# Altium PCB LimeSDR_Mini_1v1_Rounded.PcbDoc (part 2 of 5)
Units mm, origin at the board's own origin, x right, y up, seen from the top; angles counter-clockwise.
Board outline 69 x 31.37 mm, 8 copper layers (Top, L2, L3, L4, L5, L6, L7, Bottom), stack 1.555 mm thick; 371 components, 281 nets, 1650 pads, 777 vias.
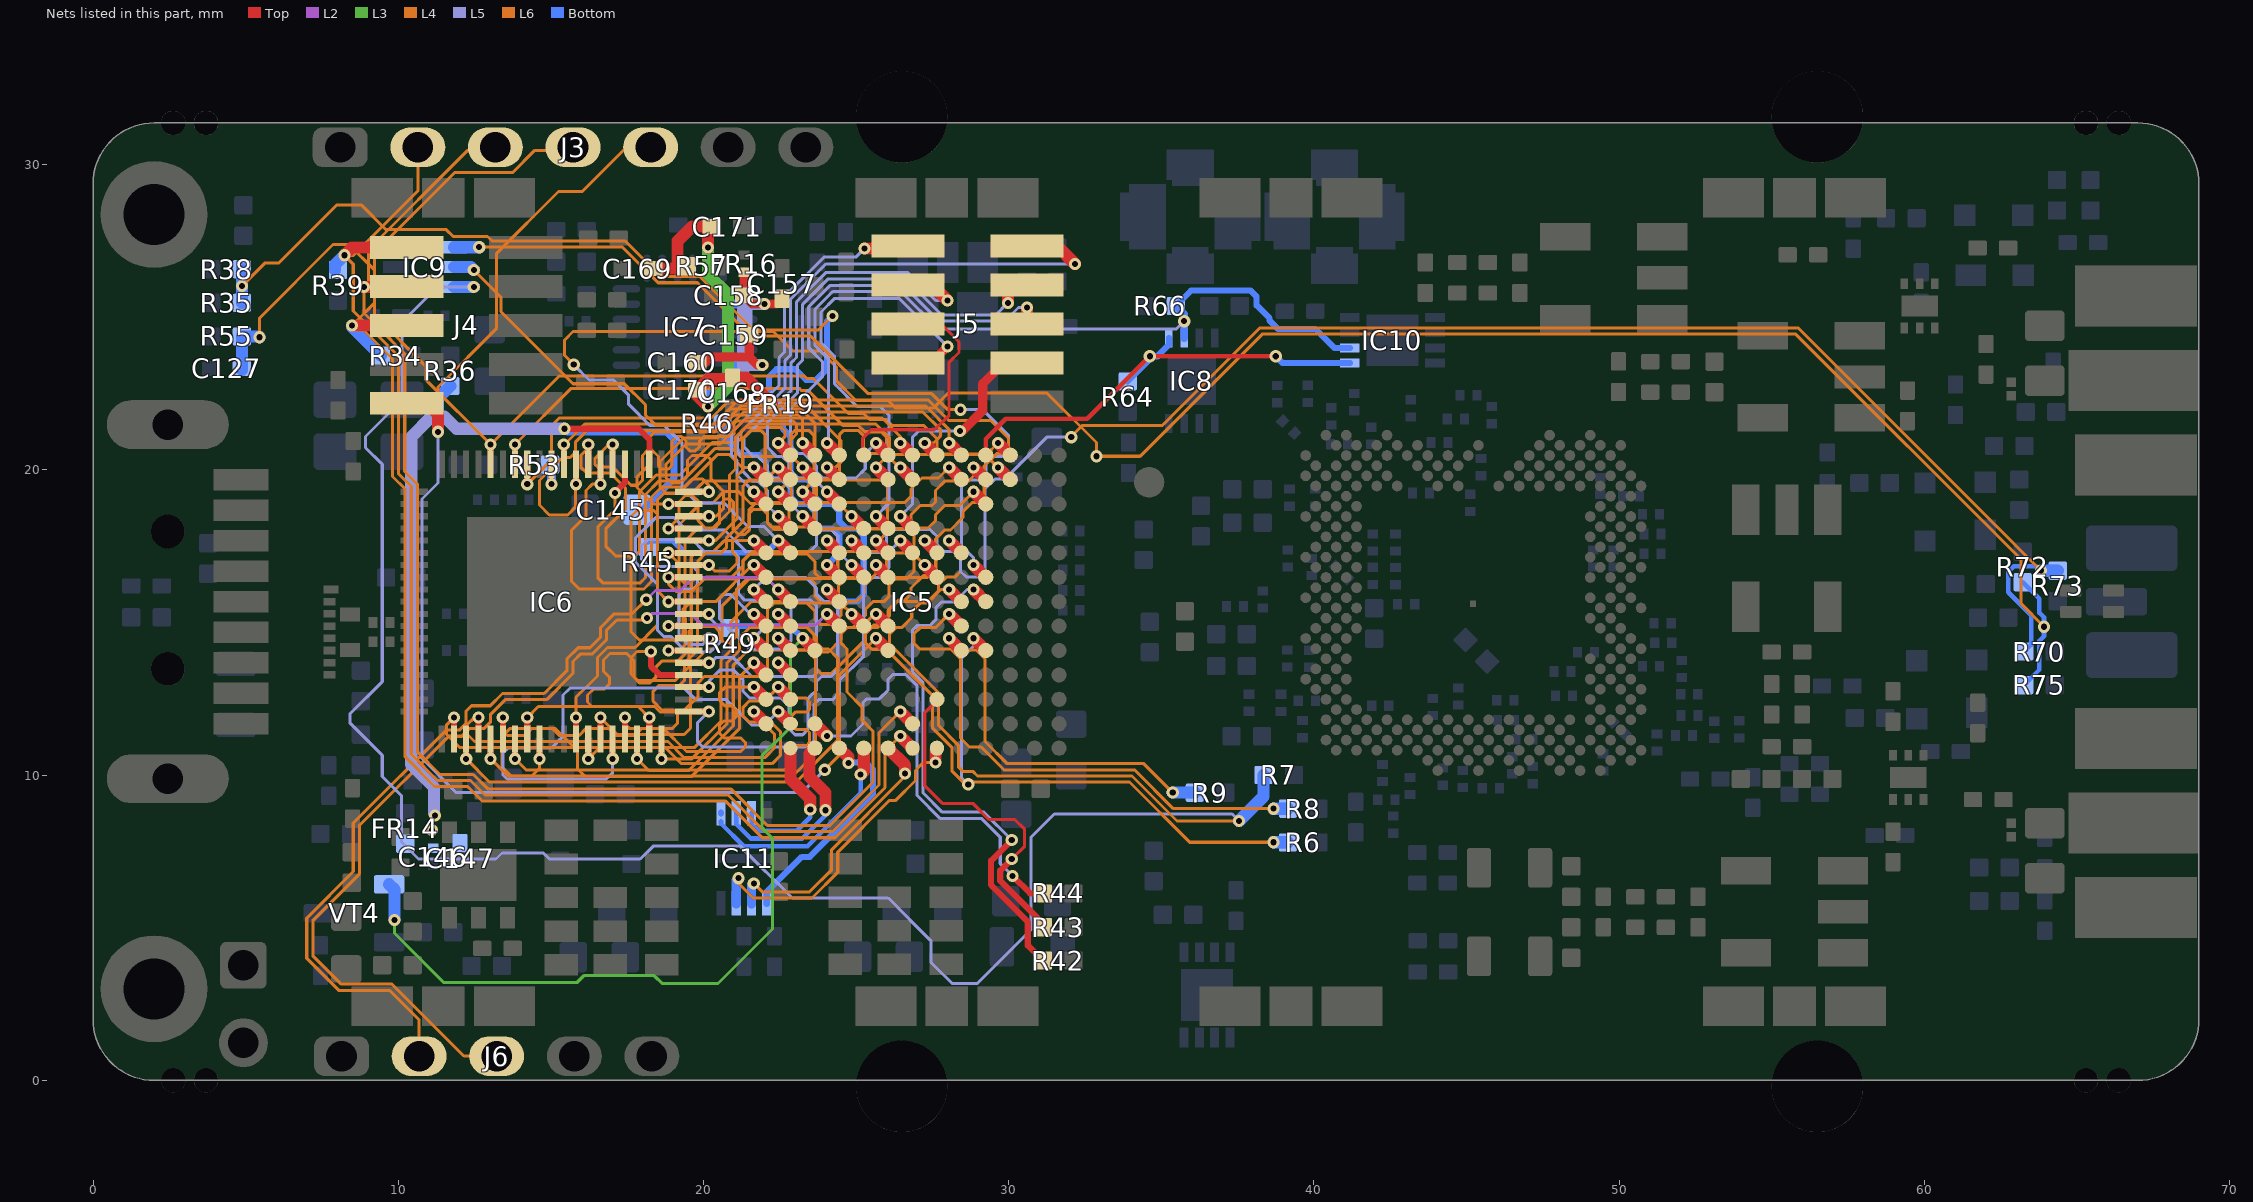
[diagram p8: the nets of this part, all layers, seen from the top]

## Footprints (in the part's own frame and the unit in brackets; to place one, negate y for a bottom-side part, rotate by r counter-clockwise, add the part's x,y. Pads: shape width x height; smd on the part's side, far side on the other; paste and mask are expansions set on the pad) (continued)
RES0805#1 [mm] "Chip Resistor, Body 2.0x1.2mm, 0805, IPC Medium Density"
  round 0.254 on Mech14: 0(0,0)
  rrect25% 0.8x1.3 smd: 1(-1,0) 2(1,0)
  Top pour cut-out: -0.6,0.75 0.6,0.75 0.6,-0.75 -0.6,-0.75
  silkscreen extent -0.38,-0.64 0.38,0.64, body extent -1.1,-0.67 1.1,0.68, height 0.69
RES0805#2 [mm] "Chip Resistor, Body 2.0x1.2mm, 0805, IPC Medium Density"
  round 0.254 on Mech15: 0(0,0)
  rrect25% 0.8x1.3 smd: 1(-1,0) 2(1,0)
  Top pour cut-out: -0.6,0.75 0.6,0.75 0.6,-0.75 -0.6,-0.75
  silkscreen extent -0.38,-0.63 0.38,0.64, body extent -1.1,-0.67 1.1,0.68, height 0.69
RES0805_0603 [mm] "Universal 0805 0603 footprint"
  round 0.254 on Mech15: 0(0,0)
  rrect25% 1x1.3 smd paste-3: 1(-0.9,0) 2(0.9,0)
  Top pour cut-out: -0.4,0.725 0.4,0.725 0.4,-0.775 -0.4,-0.775
  silkscreen extent -0.23,-0.7 0.23,0.7, body extent -1.1,-0.67 1.1,0.68, height 0.69
RFI_SHIELD_CLPS_MINI#1 [mm] "RFI SHIELD CLIP MINI TIN SMD, S0971-46R"
  rect 2x1.3 smd mask+0.05: 1(-2,0) 1(2,0)
  rect 1.4x1.3 smd mask+0.05: 1(0,0)
  body extent -2.9,-0.5 2.9,0.5, height 1
RFI_SHIELD_CLPS_MINI#2 [mm] "RFI SHIELD CLIP MINI TIN SMD, S0971-46R"
  rect 2x1.3 smd paste-2 mask+0.05: 1(-2,0) 1(2,0)
  rect 1.4x1.3 smd paste-2 mask+0.05: 1(0,0)
  body extent -2.9,-0.5 2.9,0.5, height 1
SKY13411-374LF [mm]
  rect 0.35x0.25 smd mask+0.05: 1(-0.725,0.5) 2(-0.725,0) 3(-0.725,-0.5) 4(0.725,-0.5) 5(0.725,0) 6(0.725,0.5)
  rect 0.7x1.2 smd mask+0.05: PAD(0,0)
  silkscreen extent -1.14,-0.8 0.7,0.86, body extent -0.75,-0.75 0.75,0.75, height 0.48
SMA_CONNECTOR_BOARD_EDGE_SM [mm]
  rect 2x4.25 smd: 1(0,0)
  rect 2x4 smd far side: 2(-2.77,-0.1) 2(2.77,-0.1)
  rect 2x4 smd: 2(-2.77,-0.1) 2(2.77,-0.1)
  silkscreen extent -4.3,-1.9 4.3,2.5, body extent -3,-11.8 3,1.8, height 3.4
SOT23-3 [mm] "SOT23, 3 pin"
  round 0.5 on Mech14: 0(0,0)
  rrect25% 1x0.6 smd: D(1.15,0) G(-1.15,0.95) S(-1.15,-0.95)
  silkscreen extent -1.25,-1.45 0.38,1.81, body extent -1.4,-1.45 1.4,1.45, height 1.29
SWD_10_pin [mm]
  rect 0.75x2.4 smd paste-2: 1(-2.55,-1.95) 2(-2.55,1.95) 3(-1.275,-1.95) 4(-1.275,1.95) 5(0,-1.95) 6(0,1.95) 7(1.275,-1.95) 8(1.275,1.95) 9(2.55,-1.95) 10(2.55,1.95)
  silkscreen extent -3.2,-3.4 3.2,3.4, body extent -3.17,-2.75 3.17,2.75, height 6.37
TC1-1-13MA+_JA4220-AL_ [mm] "Balun compatible with TC1-1-13MA+ and JA4220-AL_"
  rect 0.9x1.65 smd: 1(-1.345,1.59) 3(1.345,1.59) 4(1.345,-1.59) 6(-1.345,-1.59)
  rect 0.76x1.65 smd: 2(0,1.59)
  silkscreen extent -2,-0.6 2,0.7, body extent -1.27,-1.61 1.28,1.61, height 2.8
USB3A_SM [mm]
  rect 0.7x1.8 smd: 1(-3,-1.2) 2(-1,-1.2) 3(1,-1.2) 4(3,-1.2) 5(4,-1.2) 6(2,-1.2) 7(0,-1.2) 8(-2,-1.2) 9(-4,-1.2)
  oval 1.6x4 hole 1 slot 2.5 at 90 deg: 10(-5.8,1.2) 10(5.8,1.2)
  round 1.1 hole 1.1 unplated: 11(-2.2,1.2) 11(2.3,1.2)
  silkscreen extent -6.95,-2.55 7.05,3.6, body extent -6,-1.75 6,19, height 1.8
W25Q40EWUXIE_8-USON [mm]
  rect 0.8x0.3 smd mask+0.05: 1(-1.475,0.75) 2(-1.475,0.25) 3(-1.475,-0.25) 4(-1.475,-0.75) 5(1.475,-0.75) 6(1.475,-0.25) 7(1.475,0.25) 8(1.475,0.75)
  rect 0.3x1.8 smd mask+0.05: PAD(0,0)
  silkscreen extent -1.55,-1.1 1,1.27, body extent -1.51,-1 1.51,1, height 0.6
WURTHELECTRONIC_RF_SHIELD [mm] "Man. part nr.: 36003250"
  body extent 0,0 26.8,26.8, height 3.1

## Part data
C1 C2 C3 C4 C5 C6 C7 C8 C9 C10 C11 C12 C13 C14 C15 C16 C17 C18 C19 C20 C21 C22 C23 C24 C25 C26 C27 C28 C29 C30 C31 C32 C33 C34 C35 C36 C37 C38 C39 C40 C41 C42 C43 C44 C45 C46 C47 C48 C49 C50 C51 C52 C53 C54 C55 C56 C57 C58 C59 C60 C61 C62 C63 C64 C65 C66 C67 C68 C69 C70 C71 C72 C73 C74 C75 C76 C77 C78 C79 C80 C81 C82 C83 C84 C85 C86 C87 C89 C90 C91 C92 C93 C94 C96 C97 C98 C99 C100 C101 C103 C104 C105 C106 C107 C109 C110 C111 C113 C114 C115 C116 C117 C118 C119 C120 C121 C122 C124 C126 C129 C130 C131 C132 C133 C134 C135 C136 C138 C139 C140 C141 C142 C143 C144 C146 C147 C148 C149 C151 C152 C153 C154 C155 C156 C157 C158 C159 C160 C161 C164 C165 C166 C167 C168 C169 C170 C171 C173 C178 C179 C183 MN3 MN4 MN5 MN6 MN11 MN12 MN13 MN14 MN15 MN16 MN17 MN18 MN19 MN21 MN22: library part Cap_0402
C88 C95 C102 C108 C112 C123 C125 C127 C128 C137 C145 C150 C162 C163 C172 C174 C175 C176 C177 C180 C181 C182 C184: library part Cap_0603
FR1 FR2 FR3 FR4 FR5 FR6 FR7 FR8 FR9 FR10 FR11 FR12 FR13 FR14 FR15 FR16 FR17 FR18 FR19 FR20 FR21 FR22: library part Ferrite
IC1: library part LMS7002Mr3, "Schematic symbol revision 3. Default footprint - 0.31mm pad"
IC2 IC10: library part M24128-DFMC6TG
IC9: library part AD5601BKSZ-REEL7, "Single 8-Bit nanoDAC with SPI Interface in LFCSP and SC70, 2.7 to 5.5 V, <100 uA, -40 to +125 degC, KS-6, Pb-Free, Reel"
IC12 IC13: "LXDC55KAAA-205"
J1 J2: library part RF_IF_connector, "CONN SMA JACK STR 50OHM EDGE MNT"
J3: library part Header7P, "Header, 7-pin"
J4 J5: library part "Header 5X2_SWD", "Header, 5-Pin, Dual row"
J6: library part Header5P, "Header, 5-pin"
J8 J9: library part RF_IF_connector, "CONN UMC RCPT STR 50 OHM SMD"
J10: library part Jumper
LED1: library part LED_green_red_SMD
LED2: library part LED_green_red_right_angle, "160-2033-1-ND"
MECH1 MECH2 MECH3 MECH4 MECH6 MECH8 MECH9 MECH10 MECH11 MECH12 MECH13 MECH14: library part RFI_SHIELD_CLIP
MECH5 MECH7 MECH15: library part RFI_SHIELD_1
MN1 MN2 MN7 MN8 MN20 MN23 MN24: library part Inductor_0603
MN9 MN10 R1 R2 R3 R4 R5 R6 R7 R8 R9 R10 R11 R12 R13 R14 R15 R16 R17 R18 R19 R20 R21 R22 R23 R24 R25 R26 R27 R28 R29 R30 R31 R32 R33 R34 R35 R36 R37 R38 R39 R40 R41 R42 R43 R44 R45 R46 R47 R48 R49 R50 R51 R52 R53 R54 R55 R56 R57 R58 R59 R60 R61 R62 R63 R64 R65 R66 R67 R68 R69 R70 R71 R72 R73 R74 R75 R76 R77 R78 R79 R80 R81 R82 R83 R84 R85: library part Res_0402
T1 T2 T3 T4: library part TC1-1-13M+
VT1 VT2 VT3: library part BF1105R,215
VT4: library part NDS331N, "NDS331N"
XO1: library part Rakon_RTX5032A
XT1: library part CRYSTAL_19M2, "Oscillator Crystal 25 MHz"

## Free pads (board coordinates)
  round 0.8 hole 0.8 unplated mask+0.05: 0(2.625,31.37) 0(2.625,0) 0(3.7,31.37) 0(3.7,0) 0(65.3,0) 0(65.3,31.37) 0(66.375,0) 0(66.375,31.37)
  round 3 hole 3 unplated mask+0.05: 0(26.5,-0.2) 0(26.5,31.57) 0(56.5,-0.2) 0(56.5,31.57)
  round 3.5 hole 2 mask+0.05: 2(2,3) 2(2,28.37)

## Via types
v1: diameter 0.4, hole 0.2, Top to Bottom, tented both sides, 543 vias
v2: diameter 0.4, hole 0.2, Top to Bottom, tented top, 113 vias
v3: diameter 0.35, hole 0.2, Top to Bottom, tented top, 87 vias
v4: diameter 0.5, hole 0.2, Top to Bottom, 25 vias
v5: diameter 0.5, hole 0.2, Top to Bottom, tented both sides, 8 vias
v6: diameter 0.35, hole 0.2, Top to Bottom, tented both sides, 1 vias

## Nets (pads, with @x,y where several pads share a name; then routed paths per layer and width w, separated by ;. In a path a pad name is that pad's centre, name@x,y a point inside that pad or via, vN(x,y) a via of type N, cw(c..) or ccw(c..) an arc to the next point about the centre after c; other vN are vias at no path point)
+1.8V_DIG_LMK: C157.2 C158.2 C159.2 C160.2 FR16.2 IC7.2 IC7.6 | length 10.5
  Top w0.3: C160.2@19.775,23.45 19.972,23.45 20.222,23.7 21.5,23.7 ; C158.2@21.325,25.725 21.615,25.435 v1(22,25.435) 22.4,25.435 C157.2@22.575,25.61 ; C158.2@21.325,25.725 FR16.2@21.325,26.48 ; C159.2@21.5,24.435 21.5,23.7 ; v1@22,23.435 21.765,23.435 21.5,23.7
  L5 w0.4: 21.35,23.435 v1(21.925,23.435) ; 21.35,25.435 v1(22,25.435)
  L5 w0.5: 21.35,23.435 21.35,25.435
  Bottom w0.3: IC7.6@21,23.435 IC7.6@21.325,23.435 v1(21.925,23.435) ; IC7.2@21,25.435 IC7.2@21.325,25.435 v1(22,25.435)
+3.3V_DIG_LMK: C168.2 C169.2 C170.2 C171.2 FR19.2 IC7.8 IC7.23 R57.2 | length 14.9
  Top w0.4: C169.2@18.35,26.6 19.15,26.6 19.15,27.492 19.633,27.975 C171.2@20.275,27.975 20.15,27.85 v1(20.15,27.285) ; v1(20.15,22.085) 19.8,22.435 C170.2@19.8,22.625 20.15,22.975 20.95,22.975 C168.2@20.95,23.025 21.395,23.025 FR19.2@22.245,22.175
  L3 w0.4: v1(20.15,22.085) 20.8,22.735 20.8,25.75 20.15,26.4 v1(20.15,27.285)
  L4 w0.4: v1(20.15,22.085) v1@20.157,22.085
  Bottom w0.3: v1(20.15,22.085) IC7.8@20.15,22.76 ; IC7.23@20.15,26.285 IC7.23@20.15,26.61 v1(20.15,27.285)
AVDD_FT: C145.2 C146.2 C147.1 FR14.2 IC6.2 | length 28.3
  Top w0.2: v1(15.45,21.35) 17.876,21.35 18.225,21.001 IC6.2@18.225,20.185
  L5 w0.4: v1@11.175,8.75 11.175,9.6 10.425,10.35 10.425,21.082 11.093,21.75 11.507,21.75 11.907,21.35 v1(15.45,21.35)
  Bottom w0.23: v1(15.45,21.35) 15.55,21.25 18.797,21.25 19.04,21.007 19.04,19.715 C145.2@18.025,18.7
  other v1: 11.1,8.2 11.2,8.675
BOM_VER0: IC5.K7 R42.2 | length 17.3
  Top w0.2: v1(30.1,7.875) 29.425,7.2 29.425,6.4 30.625,5.2 30.625,4.425 R42.2@31.125,3.925
  Top w0.4: v1(28.85,16.085) IC5.K7@29.25,15.685
  L5 w0.1: v1(28.85,16.085) 28.635,16.085 28.225,15.675 27.8,15.675 27.625,15.5 27.625,15.1 27.425,14.9 27,14.9 26.85,14.75 26.85,13.375 27.2,13.025 27.2,9.416 27.828,8.787 29.188,8.787 v1(30.1,7.875)
BOM_VER1: IC5.H3 R43.2 | length 11
  Top w0.1: IC5.H3@27.65,12.485 27.65,12.45 27.25,12.05 27.25,9.65 27.825,9.075 28.825,9.075 29.35,8.55 30.2,8.55 30.525,8.225 30.525,7.675 v1(30.1,7.25)
  Top w0.2: v1(30.1,7.25) 29.725,6.875 29.725,6.534 31.127,5.132 R43.2@31.127,5.02
BOM_VER2: IC5.C2 R44.2 | length 14.7
  Top w0.2: v1(30.125,6.7) 30.7,6.125 R44.2@31.125,6.125
  Top w0.4: IC5.C2@23.65,11.685 v1(24.05,11.285)
  L5 w0.1: v1(24.05,11.285) 24.835,11.285 25.225,11.675 25.225,12.375 25.35,12.5 25.76,12.5 26.05,12.79 26.05,13.15 26.2,13.3 26.625,13.3 27,12.925 27,9.333 27.745,8.587 29.105,8.587 29.725,7.967 29.725,7.1 v1(30.125,6.7)
FAN_CTRL: IC5.C5 R49.2 VT4.G | length 29
  Top w0.4: v2(23.25,14.485) IC5.C5@23.65,14.085
  L3 w0.1: v1(9.875,5.25) 9.875,4.825 11.5,3.2 15.85,3.2 16.08,3.43 18.39,3.43 18.645,3.175 20.475,3.175 22.262,4.962 22.262,7.938 21.925,8.275 21.925,10.65 22.85,11.575 22.85,14.085 v2(23.25,14.485)
  Bottom w0.2: R49.2@20.875,14.825 20.935,14.885 22.85,14.885 v2(23.25,14.485)
  Bottom w0.4: VT4.G@9.7,6.425 9.875,6.25 v1(9.875,5.25)
FPGA_CONFIG_SEL: IC5.D7 R35.2 R38.2 | length 38.6
  Top w0.4: v2(24.05,16.085) IC5.D7@24.45,15.685
  L4 w0.1: v1(4.875,26.025) 5.625,26.775 6.075,26.775 7.975,28.675 8.8,28.675 9.6,27.875 11.575,27.875 11.8,27.65 12.925,27.65 13.075,27.5 17.433,27.5 18.598,26.335 19.89,26.335 21.64,24.585 23.76,24.585 v1(24.225,25.05)
  Bottom w0.2: v2(24.05,16.085) 24.45,15.685 25.016,15.685 25.25,15.919 25.25,17.851 25.016,18.085 24.684,18.085 24.45,18.319 24.45,18.651 24.216,18.885 23.884,18.885 23.65,19.119 23.65,19.451 23.416,19.685 23.04,19.685 22.85,19.875 22.85,21.1 22.6,21.35 22.6,22 22.15,22.45 22.15,23.054 22.396,23.3 23.009,23.3 23.359,22.95 23.691,22.95 24.05,23.309 24.05,24.875 v1(24.225,25.05)
  Bottom w0.4: R35.2@4.875,25.475 v1(4.875,26.025) R38.2@4.875,26.575
FPGA_EGPIO0: IC5.B7 J6.2 | length 29.4
  Top w0.4: v2(22.45,16.085) IC5.B7@22.85,15.685
  L2 w0.1: v1(18.125,15.75) 18.425,16.05 19.25,16.05 19.675,16.475 22.06,16.475 v2(22.45,16.085)
  L6 w0.1: J6.2@10.682,0.795 10.682,1.977 9.709,2.95 8.05,2.95 7,4 7,5.316 8.525,6.841 8.525,8.433 11.567,11.475 12,11.475 12.225,11.7 12.225,12.1 12.4,12.275 13.017,12.275 13.417,12.675 14.781,12.675 15.525,13.419 15.525,13.808 15.892,14.175 16.281,14.175 16.625,14.519 16.625,14.834 17.076,15.285 17.66,15.285 v1(18.125,15.75)
FPGA_EGPIO1: IC5.D6 J6.3 | length 31.9
  Top w0.4: v2(24.05,15.285) IC5.D6@24.45,14.885
  L2 w0.1: v1(18.15,15.15) 18.3,15.3 19.575,15.3 19.95,14.925 23.69,14.925 v2(24.05,15.285)
  L6 w0.1: J6.3@13.225,0.795 12.147,0.795 9.792,3.15 8.133,3.15 7.2,4.083 7.2,5.233 8.725,6.758 8.725,8.35 11.65,11.275 12.083,11.275 12.333,11.525 12.8,11.525 13.025,11.75 13.025,12 13.5,12.475 14.864,12.475 15.725,13.336 15.725,13.725 15.975,13.975 16.364,13.975 16.825,14.436 16.825,14.751 17.159,15.085 18.085,15.085 v1(18.15,15.15)
FPGA_GPIO0: IC5.A11 J5.1 | length 12.7
  Top w0.4: v2(21.65,19.285) IC5.A11@22.05,18.885 ; v1(25.275,27.26) J5.1@26.7,27.26
  L5 w0.1: v2(21.65,19.285) 21.1,19.835 21.1,20.317 20.92,20.497 20.92,21.216 22.475,22.771 22.475,23.675 22.65,23.85 22.65,25.675 23.95,26.975 24.99,26.975 v1(25.275,27.26)
FPGA_GPIO1: IC5.B10 J5.2 | length 20.7
  Top w0.4: v2(22.45,18.485) IC5.B10@22.85,18.085 ; J5.2@30.6,27.335 31.59,27.335 v1(32.175,26.75)
  L5 w0.1: v2(22.45,18.485) 22.1,18.835 22.1,19.33 21.795,19.635 21.605,19.635 21.3,19.94 21.3,20.4 21.12,20.58 21.12,21.133 22.675,22.688 22.675,23.592 22.85,23.767 22.85,25.592 24.008,26.75 v1(32.175,26.75)
FPGA_GPIO2: IC5.C10 J5.3 | length 16.5
  Top w0.4: v2(23.25,18.485) IC5.C10@23.65,18.085 ; J5.3@26.7,26.06 27.49,26.06 v1(28,25.55)
  L5 w0.1: v2(23.25,18.485) 22.9,18.835 22.9,19.33 22.495,19.735 22.305,19.735 22.1,19.94 22.1,20.13 21.773,20.457 21.623,20.457 21.32,20.76 21.32,21.05 22.875,22.605 22.875,23.509 23.05,23.684 23.05,25.509 24.005,26.465 26.701,26.465 27.616,25.55 v1(28,25.55)
FPGA_GPIO3: IC5.D11 J5.4 | length 16.7
  Top w0.4: v2(24.05,19.285) IC5.D11@24.45,18.885 ; v1(29.975,25.475) J5.4@29.975,26.06
  L5 w0.1: v2(24.05,19.285) 23.6,19.735 23.105,19.735 22.8,20.04 22.8,20.23 22.595,20.435 22.405,20.435 22.1,20.74 22.1,21.547 23.075,22.522 23.075,23.426 23.25,23.601 23.25,25.426 24.088,26.265 26.618,26.265 27.808,25.075 29.575,25.075 v1(29.975,25.475)
FPGA_GPIO4: IC5.E13 J5.5 | length 8.2
  Top w0.1: IC5.E13@25.25,20.485 25.217,20.518 25.217,21.042 25.493,21.318 27.57,21.318 28.05,21.798 28.05,23.525 28.375,23.85 28.375,24.2 27.79,24.785 J5.5@26.7,24.785
FPGA_GPIO5: IC5.F13 J5.6 | length 18.5
  Top w0.4: v2(25.65,20.885) IC5.F13@26.05,20.485 ; J5.6@30.6,24.785 v1(30.6,25.325)
  L5 w0.1: v2(25.65,20.885) 25.3,20.535 25.3,20.04 24.995,19.735 23.905,19.735 23.7,19.94 23.7,20.13 23.295,20.535 23.105,20.535 22.85,20.79 22.85,22 23.9,23.05 23.9,23.55 23.45,24 23.45,25.344 24.156,26.05 26.55,26.05 27.725,24.875 29.87,24.875 30.32,25.325 v1(30.6,25.325)
FPGA_GPIO6: IC5.F10 J5.7 | length 15.3
  Top w0.3: J5.7@26.7,23.51 27.46,23.51 v1(28,24.05)
  Top w0.4: v2(25.65,18.485) IC5.F10@26.05,18.085
  L5 w0.1: v2(25.65,18.485) 26.075,18.91 26.075,21.8 25.8,22.075 25.042,22.075 24.3,22.817 24.3,23.716 23.85,24.166 23.85,25.178 24.297,25.625 26.409,25.625 27.984,24.05 v1(28,24.05)
FPGA_GPIO7: IC5.G10 J5.8 | length 8.6
  Top w0.3: v1@28.425,21.225 29.15,21.95 29.15,22.825 29.835,23.51 J5.8@30.6,23.51
  Top w0.4: v2(26.45,18.485) IC5.G10@26.85,18.085
  L5 w0.1: v2(26.45,18.485) 26.85,18.885 26.85,21.075 27.05,21.275 v1(28.4,21.275)
FPGA_I2C_SCL: IC5.D13 IC8.2 IC10.6 R66.2 | length 26.2
  Top w0.4: v2(24.05,20.885) IC5.D13@24.45,20.485
  L5 w0.1: v2(24.05,20.885) 24.1,20.935 24.1,23.633 23.65,24.083 23.65,25.261 24.239,25.85 26.467,25.85 27.692,24.625 35.5,24.625 v1(35.75,24.875)
  Bottom w0.2: R66.2@35.475,25.375 35.975,25.875 37.925,25.875 38.125,25.675 38.125,25.391 38.55,24.966 38.55,24.896 38.821,24.625 40.05,24.625 40.675,24 IC10.6@41.175,24
  Bottom w0.25: R66.2@35.475,25.375 35.75,25.1 v1(35.75,24.875) IC8.2@35.75,24.325
FPGA_I2C_SDA: IC5.K13 IC8.1 IC10.5 R64.2 | length 15.9
  Top w0.15: IC5.K13@29.192,20.543 IC5.K13@29.25,20.485 29.25,21.015 29.91,21.675 32.575,21.675 v1(34.625,23.725) v1(38.75,23.725)
  Bottom w0.2: R64.2@33.9,22.9 34.625,23.625 v1(34.625,23.725) 34.875,23.725 35.25,24.1 IC8.1@35.25,24.325 ; v1(38.75,23.725) 38.975,23.5 IC10.5@41.175,23.5
FPGA_JTAG_TCK: IC5.G2 J3.2 J4.1 R39.1 | length 44.9
  Top w0.4: v1(8.235,27.035) 8.485,27.285 J4.1@10.275,27.285 ; v2(26.45,12.085) IC5.G2@26.85,11.685
  L4 w0.1: v1(8.235,27.035) 8.525,26.745 8.525,25.209 9.567,24.167 10.012,23.72 10.012,19.87 10.425,19.458 10.425,10.683 11.283,9.825 12.369,9.825 12.844,9.35 20.808,9.35 22.008,8.15 24.225,8.15 25.75,9.675 25.75,11.385 v2(26.45,12.085)
  L6 w0.1: v1(8.235,27.035) 8.535,27.035 10.639,29.139 J3.2@10.639,30.475
  Bottom w0.4: R39.1@7.925,26.55 7.925,26.725 v1(8.235,27.035)
FPGA_JTAG_TDI: IC5.F5 J3.5 J4.9 R36.1 | length 47
  Top w0.4: J4.9@10.275,22.185 10.94,22.185 11.3,21.825 v1(11.3,21.25) ; v2(25.65,14.485) IC5.F5@26.05,14.085
  L5 w0.1: v1(11.3,21.25) 11.3,19.575 10.775,19.05 10.775,10.55 11.9,9.425 23.225,9.425 v1(23.975,10.175)
  L6 w0.1: v1(11.3,21.25) 11.3,22.72 13.225,24.645 13.225,27.1 15.25,29.125 16.03,29.125 17.38,30.475 J3.5@18.268,30.475 ; v1(23.975,10.175) 24.45,10.65 24.45,13.285 v2(25.65,14.485)
  Bottom w0.4: v1(11.3,21.25) 11.3,22.35 R36.1@11.7,22.75
FPGA_JTAG_TDO: IC5.F6 J3.3 J4.3 | length 48
  Top w0.4: v1(8.875,26) 10.265,26 J4.3@10.275,26.01 ; v2(25.65,15.285) IC5.F6@26.05,14.885
  L4 w0.1: v1(8.875,26) 8.875,25.142 9.771,24.246 9.771,24.245 10.212,23.803 10.212,19.953 10.625,19.541 10.625,10.766 11.366,10.025 12.452,10.025 12.927,9.55 20.891,9.55 22.091,8.35 24.142,8.35 25.55,9.758 25.55,11.45 25.2,11.8 25.2,12.23 24.705,12.725 24.705,14.135 24.5,14.34 24.5,14.63 24.705,14.835 25.16,14.835 25.61,15.285 v2(25.65,15.285)
  L6 w0.1: v1(8.875,26) 9.025,26.15 9.025,27.225 12.275,30.475 J3.3@13.182,30.475
FPGA_JTAG_TMS: IC5.G1 J3.4 J4.5 R34.1 | length 48.7
  Top w0.4: v1(8.485,24.735) J4.5@10.275,24.735 ; v2(26.45,11.285) IC5.G1@26.85,10.885
  L4 w0.1: v1(8.485,24.735) 8.715,24.735 9.812,23.638 9.812,19.788 10.225,19.375 10.225,10.6 11.2,9.625 12.286,9.625 12.761,9.15 20.725,9.15 21.925,7.95 24.308,7.95 25.95,9.592 25.95,10.785 v2(26.45,11.285)
  L6 w0.1: v1(8.485,24.735) 9.225,25.475 9.225,27.125 11.85,29.75 13.75,29.75 14.475,30.475 J3.4@15.725,30.475
  Bottom w0.4: v1(8.485,24.735) 8.485,24.69 R34.1@9.425,23.75
FPGA_LED_G: IC5.D8 R46.2 R70.2 R73.2 | length 63.1
  Top w0.4: v2(24.05,16.885) IC5.D8@24.45,16.485
  L4 w0.1: v1@31.975,21.025 32.4,21.45 35.025,21.45 38.225,24.65 55.875,24.65 v1(63.825,16.7)
  L5 w0.1: v2(24.05,16.885) 24.485,16.45 25.05,16.45 25.275,16.675 25.275,17.075 25.5,17.3 25.782,17.3 26,17.518 26,17.9 26.15,18.05 27.425,18.05 27.65,17.825 27.65,17.575 27.9,17.325 28.2,17.325 28.425,17.1 28.425,16.675 28.6,16.5 29.05,16.5 29.225,16.675 29.225,19.375 29.55,19.7 29.875,19.7 31.25,21.075 v1(32.05,21.075)
  Bottom w0.15: R70.2@63.275,14.05 63.5,14.275 63.5,15.238 62.75,15.988 62.75,16.662 62.938,16.85 63.675,16.85 v1(63.825,16.7)